# KiCad board mainboard_before_drastic.kicad_pcb
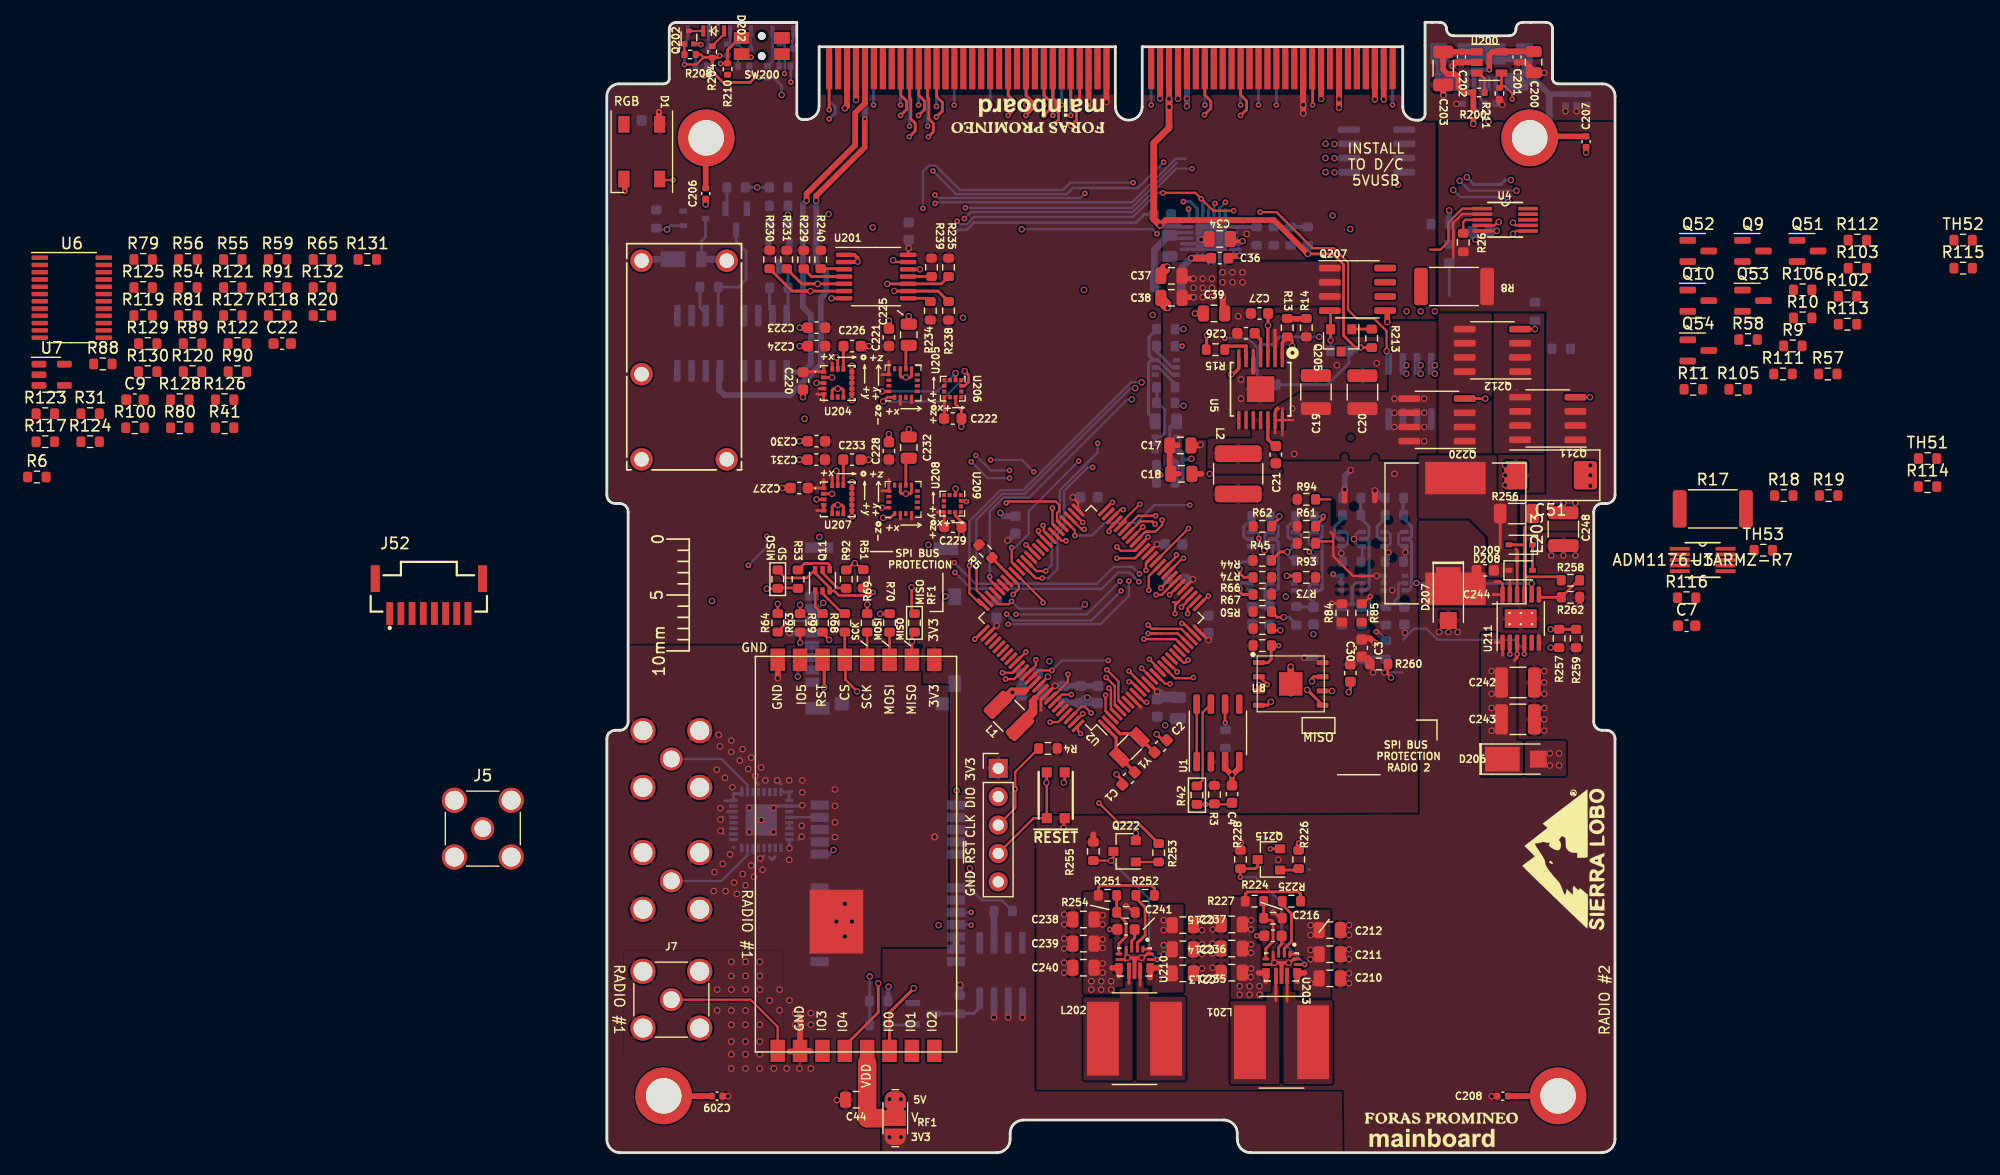
[diagram p0: board, top side]
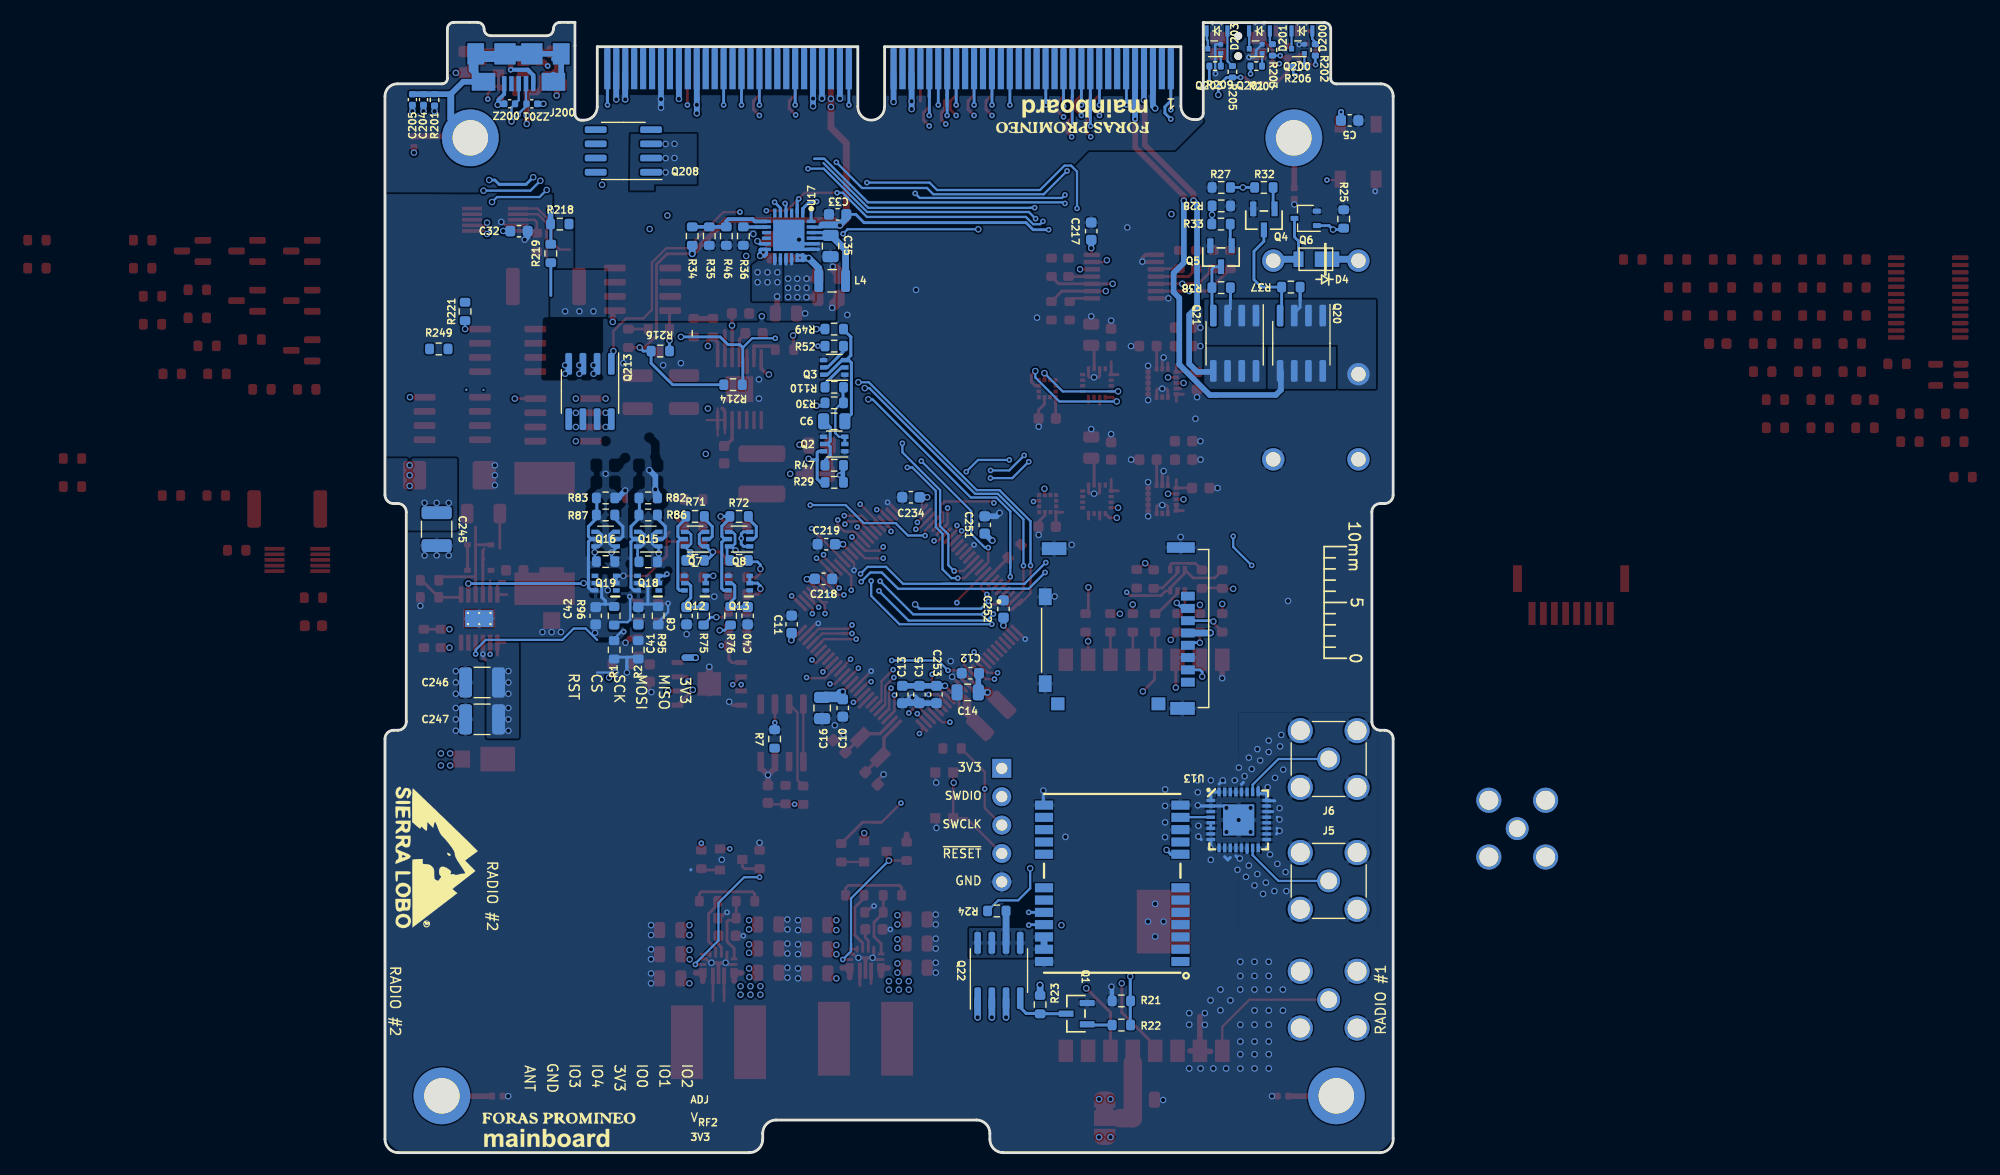
[diagram p1: board, bottom side, seen from below]

Outline 90.17 x 101.14 mm; copper layers: Top, In1.Cu, In2.Cu, In3.Cu, In4.Cu, Bottom. Coordinates in mm from the lower left corner of the outline.
Outline path: 5.58,100.55 5.58,96.13 arc(5.44,95.78) 5.1,95.64 1.1,95.64 arc(0.32,95.32) 0,94.54 0,58.85 arc(0.22,58.31) 0.76,58.09 1.14,58.09 arc(1.68,57.87) 1.91,57.33 1.91,38.56 arc(1.68,38.02) 1.14,37.8 0.76,37.8 arc(0.22,37.57) 0,37.03 0,1.27 arc(0.3,0.4) 1.12,0 34.87,0 arc(35.72,0.35) 36.07,1.19 36.07,1.73 arc(36.42,2.57) 37.26,2.92 55.19,2.92 arc(56.04,2.57) 56.39,1.73 56.39,1.19 arc(56.74,0.35) 57.58,0 88.98,0 arc(89.82,0.35) 90.17,1.19 90.17,37.03 arc(89.95,37.57) 89.41,37.8 89.03,37.8 arc(88.49,38.02) 88.27,38.56 88.27,57.33 arc(88.49,57.87) 89.03,58.09 89.41,58.09 arc(89.95,58.31) 90.17,58.85 90.17,94.54 arc(89.85,95.32) 89.07,95.64 85.07,95.64 arc(84.73,95.78) 84.58,96.13 84.58,100.58 arc(84.42,100.98) 84.02,101.14 81.91,101.14 arc(81.48,100.97) 81.31,100.54 arc(81.13,100.12) 80.71,99.94 75.71,99.94 arc(75.28,100.12) 75.11,100.54 arc(74.93,100.97) 74.51,101.14 73.18,101.14 73.18,99.06 73.18,92.96 arc(73.02,92.56) 72.61,92.39 72.38,92.39 arc(71.54,92.74) 71.18,93.59 71.18,98.96 47.88,98.96 47.88,93.59 arc(46.68,92.39) 45.48,93.59 45.48,98.96 18.98,98.96 18.98,93.64 arc(18.63,92.79) 17.78,92.44 17.56,92.44 arc(17.15,92.61) 16.98,93.01 16.98,99.11 16.98,101.13 16.2,101.13 11.5,101.13 6.16,101.13 arc(5.75,100.96) 5.58,100.55

## Placement (name value [footprint] x y rotation side)
C1  8pF  [C_0603_1608Metric]  46.66 33.49 225 top
C2  8pF  [C_0603_1608Metric]  49.53 36.36 45 top
C3  0.1uF  [C_0603_1608Metric]  67.52 45.16 90 top
C4  1uF  [C_0603_1608Metric]  55.91 32.08 270 top
C5  0.1uF  [C_0603_1608Metric]  3.89 92.37 180 bottom
C6  10uF  [C_0805_2012Metric]  49.99 65.44 0 bottom
C7  3.3nF  [C_0603_1608Metric]  96.57 47.15 0 top
C8  10nF  [C_0603_1608Metric]  63.2 48.04 270 bottom
C9  0.1uF  [C_0603_1608Metric]  -42.21 67.38 0 top
C10  0.1uF  [C_0603_1608Metric]  49.23 39.79 270 bottom
C11  0.1uF  [C_0603_1608Metric]  53.8 47.28 90 bottom
C12  1uF  [C_0603_1608Metric]  37.81 42.9 180 bottom
C13  1uF  [C_0603_1608Metric]  43.89 41 270 bottom
C14  10uF  [C_0805_2012Metric]  38.05 41.19 0 bottom
C15  1uF  [C_0603_1608Metric]  42.37 41 270 bottom
C16  10uF  [C_0805_2012Metric]  51.07 39.79 270 bottom
C17  22uF  [C_0805_2012Metric]  51.29 63.28 0 top
C18  22uF  [C_0805_2012Metric]  51.39 60.74 0 top
C19  100uF  [C_1210_3225Metric]  63.42 68.06 90 top
C20  100uF  [C_1210_3225Metric]  67.58 68.05 90 top
C21  0.1uF  [C_0603_1608Metric]  59.83 62.46 90 top
C22  0.1uF  [C_0603_1608Metric]  -29.04 72.4 0 top
C26  3.3nF  [C_0603_1608Metric]  57.17 73.32 180 top
C27  1uF  [C_0603_1608Metric]  58.37 75.1 180 top
C30  0.1uF  [C_0603_1608Metric]  66.5 42.92 270 top
C32  3.3nF  [C_0603_1608Metric]  78.18 82.46 0 bottom
C33  1uF  [C_0603_1608Metric]  49.69 83.96 180 bottom
C34  4.7uF  [C_0805_2012Metric]  54.82 81.76 180 top
C35  10uF  [C_0805_2012Metric]  50.32 81.13 90 bottom
C36  47nF  [C_0603_1608Metric]  54.82 80.05 0 top
C37  22uF  [C_0805_2012Metric]  50.5 78.46 0 top
C38  22uF  [C_0805_2012Metric]  50.5 76.49 0 top
C39  10uF  [C_0805_2012Metric]  54.31 75.1 0 top
C40  10nF  [C_0603_1608Metric]  57.74 48.04 270 bottom
C41  10nF  [C_0603_1608Metric]  67.52 48.04 270 bottom
C42  10nF  [C_0603_1608Metric]  71.33 48.04 270 bottom
C44  10uF  [C_0805_2012Metric]  22.3 4.74 0 top
C51  100uF  [CP_EIA-7343-43_Kemet-X]  84.41 60.62 180 top
C200  10uF  [C_0805_2012Metric]  82.88 97.58 270 top
C201  0.1uF  [C_0402_1005Metric]  81.41 98.04 270 top
C202  0.1uF  [C_0402_1005Metric]  76.43 98.04 270 top
C203  47uF  [C_1206_3216Metric]  74.8 97.03 270 top
C204  0.1uF  [C_0402_1005Metric]  86.73 94.23 270 bottom
C205  1nF  [C_0402_1005Metric]  87.72 94.23 270 bottom
C206  0.1uF  [C_0402_1005Metric]  8.84 85.83 90 top
C207  0.1uF  [C_0402_1005Metric]  87.58 90.46 90 top
C208  0.1uF  [C_0402_1005Metric]  80.12 5.05 0 top
C209  0.1uF  [C_0402_1005Metric]  9.86 5.05 180 top
C210  10uF  [C_0805_2012Metric]  64.66 15.6 0 top
C211  10uF  [C_0805_2012Metric]  64.66 17.75 0 top
C212  10uF  [C_0805_2012Metric]  64.66 19.91 0 top
C213  22uF  [C_0805_2012Metric]  55.9 16.1 180 top
C214  22uF  [C_0805_2012Metric]  55.9 18.26 180 top
C215  22uF  [C_0805_2012Metric]  55.9 20.42 180 top
C216  0.1uF  [C_0603_1608Metric]  59.58 19.41 0 top
C217  0.1uF  [C_0603_1608Metric]  27 82.46 90 bottom
C218  0.1uF  [C_0603_1608Metric]  50.94 51.35 180 bottom
C219  0.1uF  [C_0603_1608Metric]  50.7 54.44 0 bottom
C220  10nF  [C_0603_1608Metric]  17.54 69.06 270 top
C221  1uF  [C_0603_1608Metric]  25.22 72.95 90 top
C222  1uF  [C_0603_1608Metric]  30.94 65.7 0 top
C223  2.2uF  [C_0603_1608Metric]  18.75 73.83 180 top
C224  0.1uF  [C_0603_1608Metric]  18.75 72.17 180 top
C225  10uF  [C_0805_2012Metric]  27 73.19 90 top
C226  0.47uF  [C_0603_1608Metric]  21.94 72.17 0 top
C227  10nF  [C_0603_1608Metric]  17.21 59.47 180 top
C228  1uF  [C_0603_1608Metric]  25.22 62.79 90 top
C229  1uF  [C_0603_1608Metric]  30.94 56.02 0 top
C230  2.2uF  [C_0603_1608Metric]  18.75 63.67 180 top
C231  0.1uF  [C_0603_1608Metric]  18.73 62.01 180 top
C232  10uF  [C_0805_2012Metric]  27 63.09 90 top
C233  0.47uF  [C_0603_1608Metric]  21.92 62.01 0 top
C234  0.1uF  [C_0603_1608Metric]  43.13 58.65 0 bottom
C235  10uF  [C_0805_2012Metric]  51.51 16.04 0 top
C236  10uF  [C_0805_2012Metric]  51.51 18.2 0 top
C237  10uF  [C_0805_2012Metric]  51.51 20.36 0 top
C238  22uF  [C_0805_2012Metric]  42.62 20.87 180 top
C239  22uF  [C_0805_2012Metric]  42.62 18.71 180 top
C240  22uF  [C_0805_2012Metric]  42.62 16.55 180 top
C241  0.1uF  [C_0603_1608Metric]  46.43 19.98 0 top
C242  10uF  [C_1210_3225Metric]  81.49 42.08 0 top
C243  10uF  [C_1210_3225Metric]  81.49 38.77 0 top
C244  1uF  [C_0603_1608Metric]  78.56 52.11 0 top
C245  10uF  [C_1210_3225Metric]  85.55 55.79 270 bottom
C246  10uF  [C_1210_3225Metric]  81.49 42.08 0 bottom
C247  10uF  [C_1210_3225Metric]  81.49 38.77 0 bottom
C248  10uF  [C_1210_3225Metric]  85.55 55.79 270 top
C251  0.1uF  [C_0603_1608Metric]  36.53 56.17 90 bottom
C252  0.1uF  [C_0603_1608Metric]  34.85 48.65 90 bottom
C253  0.1uF  [C_0603_1608Metric]  40.85 41 270 bottom
D1  WS2812B  [LED_WS2812B_PLCC4_5.0x5.0mm_P3.2mm]  3.13 89.57 270 top
D4  DFLS130L  [PWRDI-123]  7.01 79.95 0 bottom
D200  RED  [APA2107x]  8.15 100.38 270 bottom
D201  YELLOW  [APA2107x]  11.95 100.38 270 bottom
D202  GREEN  [APA2107x]  9.55 100.38 270 top
D203  ORANGE  [APA2107x]  15.75 100.38 270 bottom
D206  V4PAL45HM3_A/I  [SMPA]  81.3 35.22 0 top
D207  V4PAL45HM3_A/I  [SMPA]  75.26 49.63 270 top
D208  1N4148WSTR  [D_SOD-323]  81.74 52.11 0 top
D209  1N4148WSTR  [D_SOD-323]  81.74 54.39 180 top
G***  LOGO  [foraspromineo]  74.63 3.09 0 top
G***#2  LOGO  [foraspromineo]  37.67 91.73 180 top
G***#3  LOGO  [sierra_logo]  85.55 26.2 90 top
G***#4  LOGO  [foraspromineo]  74.63 3.09 180 bottom
G***#5  LOGO  [sierra_logo]  85.55 26.45 270 bottom
G***#6  LOGO  [foraspromineo]  28.65 91.73 0 bottom
H200  MountingHole_Pad  [125mil_hole]  8.88 90.81 90 top
H201  SLI-Backplane-Blank-Card-KiCad:125mil_hole  [125mil_hole]  82.54 90.81 0 top
H202  SLI-Backplane-Blank-Card-KiCad:125mil_hole  [125mil_hole]  85.08 5.08 0 top
H203  SLI-Backplane-Blank-Card-KiCad:125mil_hole  [125mil_hole]  5.08 5.08 0 top
J1  503182-1852  [MOLEX_503182-1852]  24.72 46.9 270 bottom
J2  Conn_01x05  [PinHeader_1x05_P2.54mm_Vertical]  35 34.39 0 top
J5  Amphenol_901-144  [SMA_Amphenol_901-144_Vertical]  -11.1 28.99 0 top
J5#2  Amphenol_901-144  [SMA_Amphenol_901-144_Vertical]  5.77 24.32 0 bottom
J6  Amphenol_901-144  [SMA_Amphenol_901-144_Vertical]  5.77 35.23 0 bottom
J7  Amphenol_901-144  [SMA_Amphenol_901-144_Vertical]  5.77 13.69 0 top
J52  T1M-08-F-SV-L  [SAMTEC_T1M-08-F-SV-L]  -15.92 50.64 0 top
J200  -  [ZX62-AB-5PA(31)]  78.23 101.13 0 bottom
JP6  Jumper_3_Bridged12  [SolderJumper-3_P1.3mm_Bridged12_RoundedPad1.0x1.5mm]  25.8 3.09 270 top
L1  10uH  [L_1210_3225Metric]  35.96 39.09 315 top
L2  3.3uH  [L_2141]  56.47 60.74 270 top
L4  1uH  [L_2510]  50.17 78.02 0 bottom
L201  1.5uH  [L_Bourns_SRN8040TA]  60.34 9.88 180 top
L202  1.5uH  [L_Bourns_SRN8040TA]  47.2 10.2 180 top
L203  22uH  [L_Wuerth_WE-PD-Typ-LS]  75.9 55.41 270 top
P1  Card Edge for HSEC8-160-01-S-DV-A-K-TR  [HSEC8-160-CARD-EDGE]  45.48 98.96 0 top
Q1  DMN100-7-F  [SOT-23#3]  28.37 12.44 90 bottom
Q2  MMDT5551-7-F  [SOT-363_SC-70-6]  49.99 63.41 0 bottom
Q3  MMDT5551-7-F  [SOT-363_SC-70-6]  49.99 70.27 0 bottom
Q4  DMN100-7-F  [SOT-23#3]  11.56 83.45 0 bottom
Q5  DMN100-7-F  [SOT-23#3]  15.4 80.15 0 bottom
Q6  SMMBT2222AWT1G  [SOT-323_SC-70]  7.83 83.6 0 bottom
Q7  MMDT5551-7-F  [SOT-363_SC-70-6]  62.44 54.9 0 bottom
Q8  MMDT5551-7-F  [SOT-363_SC-70-6]  58.5 54.9 0 bottom
Q9  MMBT3906-7-F  [SOT-23#2]  102.5 80.69 0 top
Q10  MMBT3906-7-F  [SOT-23#2]  97.61 76.24 0 top
Q11  MMDT2907AQ-7-F  [SOT-363_SC-70-6]  19.28 51.22 90 top
Q12  -  [BSS138DWQ-7]  62.44 50.97 0 bottom
Q13  -  [BSS138DWQ-7]  58.5 50.97 0 bottom
Q15  MMDT5551-7-F  [SOT-363_SC-70-6]  66.63 54.9 0 bottom
Q16  MMDT5551-7-F  [SOT-363_SC-70-6]  70.44 54.9 0 bottom
Q18  -  [BSS138DWQ-7]  66.63 50.97 0 bottom
Q19  -  [BSS138DWQ-7]  70.44 50.97 0 bottom
Q20  IRF7404TRPBF  [SOIC-8_3.9x4.9mm_P1.27mm]  8.21 72.43 270 bottom
Q21  IRF7404TRPBF  [SOIC-8_3.9x4.9mm_P1.27mm]  14.18 72.43 270 bottom
Q22  IRF7404TRPBF  [SOIC-8_3.9x4.9mm_P1.27mm]  35.26 16.29 90 bottom
Q51  MMBT4401-7-F  [SOT-23#2]  107.39 80.69 0 top
Q52  MMBT3906-7-F  [SOT-23#2]  97.61 80.69 0 top
Q53  MMBT3906-7-F  [SOT-23#2]  102.5 76.24 0 top
Q54  MMBT3906-7-F  [SOT-23#2]  97.61 71.79 0 top
Q200  BC847BM3T5G  [SOT-723]  8.51 98.78 0 bottom
Q201  BC847BM3T5G  [SOT-723]  12.29 98.78 0 bottom
Q202  BC847BM3T5G  [SOT-723]  7.34 99.8 90 top
Q203  BC847BM3T5G  [SOT-723]  16 98.78 0 bottom
Q205  MMBT4401-7-F  [SOT-23]  65.67 72.68 270 top
Q207  IRF7404  [SOIC-8_3.9x4.9mm_P1.27mm]  67.13 77.25 0 top
Q208  IRF7458  [SOIC-8_3.9x4.9mm_P1.27mm]  68.85 89.64 0 bottom
Q211  IRF7404  [SOIC-8_3.9x4.9mm_P1.27mm]  84.15 65.7 180 top
Q212  IRF7404  [SOIC-8_3.9x4.9mm_P1.27mm]  79.2 71.79 180 top
Q213  IRF7404  [SOIC-8_3.9x4.9mm_P1.27mm]  71.83 68.11 270 bottom
Q215  MMBT3906-7-F  [SOT-23]  59.21 26.24 180 top
Q220  IRF7404  [SOIC-8_3.9x4.9mm_P1.27mm]  74.25 65.57 180 top
Q222  MMBT3906-7-F  [SOT-23]  46.31 26.96 180 top
R1  316k  [R_0603_1608Metric]  69.67 45 270 bottom
R2  110k  [R_0603_1608Metric]  67.52 45 270 bottom
R3  10k  [R_0603_1608Metric]  54.34 32.04 270 top
R4  10k  [R_0603_1608Metric]  39.45 36.17 180 top
R5  10k  [R_0603_1608Metric]  33.86 53.82 315 top
R6  100k  [R_0603_1608Metric]  -50.98 60.46 0 top
R7  10k  [R_0603_1608Metric]  55.32 37.02 90 bottom
R8  0.1  [R_2512_6332Metric]  75.77 77.51 180 top
R9  100  [R_0603_1608Metric]  106.07 72.19 0 top
R10  100k  [R_0603_1608Metric]  106.95 74.7 0 top
R11  1Meg  [R_0603_1608Metric]  97.17 68.31 0 top
R13  73.2k  [R_0603_1608Metric]  60.85 73.83 270 top
R14  22.1k  [R_0603_1608Metric]  62.56 73.83 90 top
R15  100k  [R_0603_1608Metric]  54.43 71.86 180 top
R17  0.1  [R_2512_6332Metric]  98.91 57.61 0 top
R18  1k  [R_0603_1608Metric]  105.26 58.8 0 top
R19  100k  [R_0603_1608Metric]  109.27 58.8 0 top
R20  100k  [R_0603_1608Metric]  -25.44 74.91 0 top
R21  10k  [R_0603_1608Metric]  24.31 13.58 0 bottom
R22  4.7k  [R_0603_1608Metric]  24.31 11.42 0 bottom
R23  3.3k  [R_0603_1608Metric]  31.57 13.25 270 bottom
R24  10k  [R_0603_1608Metric]  35.45 21.63 180 bottom
R25  10k  [R_0603_1608Metric]  4.42 83.55 90 bottom
R26  1k  [R_0603_1608Metric]  76.6 81.45 90 top
R27  10k  [R_0603_1608Metric]  15.37 86.37 0 bottom
R28  10k  [R_0603_1608Metric]  15.37 84.72 180 bottom
R29  73.2k  [R_0603_1608Metric]  49.99 59.98 0 bottom
R30  100k  [R_0603_1608Metric]  49.99 67.09 180 bottom
R31  100k  [R_0603_1608Metric]  -46.22 66.13 0 top
R32  4.7k  [R_0603_1608Metric]  11.56 86.37 0 bottom
R33  4.7k  [R_0603_1608Metric]  15.4 83.1 0 bottom
R34  5.23k  [R_0603_1608Metric]  62.69 82.02 90 bottom
R35  30.1k  [R_0603_1608Metric]  61.17 82.02 90 bottom
R36  3.16k  [R_0603_1608Metric]  58.12 82.02 90 bottom
R37  100k  [R_0603_1608Metric]  9.15 77.46 180 bottom
R38  100k  [R_0603_1608Metric]  15.38 77.41 180 bottom
R41  100k  [R_0603_1608Metric]  -34.19 64.87 0 top
R42  10k  [R_0603_1608Metric]  52.77 31.99 90 top
R44  10k  [R_0603_1608Metric]  58.63 51.47 180 top
R45  10k  [R_0603_1608Metric]  58.63 53 0 top
R46  10k  [R_0603_1608Metric]  59.64 82.02 90 bottom
R47  200k  [R_0603_1608Metric]  49.99 61.51 0 bottom
R49  100k  [R_0603_1608Metric]  49.99 73.7 180 bottom
R50  10k  [R_0603_1608Metric]  58.63 45.38 180 top
R51  10k  [R_0603_1608Metric]  22.94 51.35 270 top
R52  10k  [R_0603_1608Metric]  49.99 72.17 0 bottom
R53  0  [R_0603_1608Metric]  17.1 51.32 270 top
R54  100k  [R_0603_1608Metric]  -37.47 77.42 0 top
R55  100k  [R_0603_1608Metric]  -33.46 79.93 0 top
R56  100k  [R_0603_1608Metric]  -37.47 79.93 0 top
R57  10k  [R_0603_1608Metric]  109.2 69.68 0 top
R58  100  [R_0603_1608Metric]  102.06 72.76 0 top
R59  100k  [R_0603_1608Metric]  -29.45 79.93 0 top
R61  10k  [R_0603_1608Metric]  62.56 56.05 0 top
R62  10k  [R_0603_1608Metric]  58.63 56.05 0 top
R63  1k  [R_0603_1608Metric]  17.28 47.41 90 top
R64  1k  [R_0603_1608Metric]  15.28 47.41 90 top
R65  10k  [R_0603_1608Metric]  -25.44 79.93 0 top
R66  10k  [R_0603_1608Metric]  58.63 48.43 0 top
R67  10k  [R_0603_1608Metric]  58.63 46.9 0 top
R68  4.7k  [R_0603_1608Metric]  21.28 47.41 270 top
R69  1k  [R_0603_1608Metric]  23.28 47.41 90 top
R70  1k  [R_0603_1608Metric]  25.28 47.41 270 top
R71  680  [R_0603_1608Metric]  62.44 56.93 0 bottom
R72  680  [R_0603_1608Metric]  58.5 56.93 0 bottom
R73  100k  [R_0603_1608Metric]  62.56 51.47 180 top
R74  100k  [R_0603_1608Metric]  58.63 49.95 180 top
R75  200k  [R_0603_1608Metric]  61.67 48.04 90 bottom
R76  200k  [R_0603_1608Metric]  59.26 48.04 90 bottom
R79  100  [R_0603_1608Metric]  -41.48 79.93 0 top
R80  100  [R_0603_1608Metric]  -38.2 64.87 0 top
R81  100  [R_0603_1608Metric]  -37.47 74.91 0 top
R82  10k  [R_0603_1608Metric]  66.63 58.59 0 bottom
R83  10k  [R_0603_1608Metric]  70.44 58.59 0 bottom
R84  10k  [R_0603_1608Metric]  65.74 48.3 90 top
R85  10k  [R_0603_1608Metric]  67.52 48.3 90 top
R86  680  [R_0603_1608Metric]  66.63 57.06 0 bottom
R87  680  [R_0603_1608Metric]  70.44 57.06 0 bottom
R88  100  [R_0603_1608Metric]  -45.08 70.58 0 top
R89  100  [R_0603_1608Metric]  -37.06 72.4 0 top
R90  100k  [R_0603_1608Metric]  -33.05 69.89 0 top
R91  100k  [R_0603_1608Metric]  -29.45 77.42 0 top
R92  4.7k  [R_0603_1608Metric]  21.41 51.32 90 top
R93  100k  [R_0603_1608Metric]  62.56 54.52 0 top
R94  100k  [R_0603_1608Metric]  62.56 58.46 0 top
R95  200k  [R_0603_1608Metric]  65.74 48.04 90 bottom
R96  200k  [R_0603_1608Metric]  69.67 48.04 90 bottom
R97  0  [R_0603_1608Metric]  62.44 53 180 bottom
R98  0  [R_0603_1608Metric]  58.5 53 180 bottom
R99  0  [R_0603_1608Metric]  19.28 47.41 270 top
R100  100  [R_0603_1608Metric]  -42.21 64.87 0 top
R101  0  [R_0603_1608Metric]  27.51 47.41 90 top
R102  100k  [R_0603_1608Metric]  110.96 76.64 0 top
R103  1Meg  [R_0603_1608Metric]  111.84 79.15 0 top
R104  0  [R_0603_1608Metric]  15.28 51.32 90 top
R105  10k  [R_0603_1608Metric]  101.18 68.31 0 top
R106  100k  [R_0603_1608Metric]  106.95 77.21 0 top
R108  0  [R_0603_1608Metric]  66.63 52.87 180 bottom
R109  0  [R_0603_1608Metric]  70.44 52.9 180 bottom
R110  20k  [R_0603_1608Metric]  49.99 68.49 180 bottom
R111  100  [R_0603_1608Metric]  105.19 69.68 0 top
R112  100  [R_0603_1608Metric]  111.84 81.66 0 top
R113  100  [R_0603_1608Metric]  110.96 74.13 0 top
R114  10k  [R_0603_1608Metric]  118.12 59.6 0 top
R115  10k  [R_0603_1608Metric]  121.3 79.15 0 top
R116  10k  [R_0603_1608Metric]  96.57 49.66 0 top
R117  100k  [R_0603_1608Metric]  -50.23 63.62 0 top
R118  100k  [R_0603_1608Metric]  -29.45 74.91 0 top
R119  10k  [R_0603_1608Metric]  -41.48 74.91 0 top
R120  1k  [R_0603_1608Metric]  -37.06 69.89 0 top
R121  10k  [R_0603_1608Metric]  -33.46 77.42 0 top
R122  1k  [R_0603_1608Metric]  -33.05 72.4 0 top
R123  100k  [R_0603_1608Metric]  -50.23 66.13 0 top
R124  100k  [R_0603_1608Metric]  -46.22 63.62 0 top
R125  10k  [R_0603_1608Metric]  -41.48 77.42 0 top
R126  1k  [R_0603_1608Metric]  -34.19 67.38 0 top
R127  10k  [R_0603_1608Metric]  -33.46 74.91 0 top
R128  1k  [R_0603_1608Metric]  -38.2 67.38 0 top
R129  100k  [R_0603_1608Metric]  -41.07 72.4 0 top
R130  100k  [R_0603_1608Metric]  -41.07 69.89 0 top
R131  100k  [R_0603_1608Metric]  -21.43 79.93 0 top
R132  100k  [R_0603_1608Metric]  -25.44 77.42 0 top
R200  10k  [R_0402_1005Metric]  78 94.87 0 top
R201  1Meg  [R_0402_1005Metric]  85.74 94.21 270 bottom
R202  1.5k  [R_0402_1005Metric]  6.96 98.68 90 bottom
R203  1.5k  [R_0402_1005Metric]  10.8 98.68 90 bottom
R204  1.5k  [R_0402_1005Metric]  9.42 98.5 90 top
R205  1.5k  [R_0402_1005Metric]  14.38 96.72 90 bottom
R206  1.5k  [R_0402_1005Metric]  8.43 97.23 0 bottom
R207  1.5k  [R_0402_1005Metric]  12.24 97.23 0 bottom
R208  1.5k  [R_0402_1005Metric]  7.44 98.27 0 top
R209  1.5k  [R_0402_1005Metric]  15.93 97.23 0 bottom
R210  DNP  [R_0402_1005Metric]  10.8 96.96 90 top
R211  10k  [R_0402_1005Metric]  79.83 94.78 270 top
R213  100k  [R_0603_1608Metric]  68.4 72.87 270 top
R214  2.2Meg  [R_0603_1608Metric]  59.04 68.72 180 bottom
R216  1Meg  [R_0603_1608Metric]  65.55 71.73 180 bottom
R218  10k  [R_0603_1608Metric]  74.54 83.1 0 bottom
R219  1Meg  [R_0603_1608Metric]  75.34 80.47 270 bottom
R221  1Meg  [R_0603_1608Metric]  83.01 75.27 270 bottom
R224  523k  [R_0603_1608Metric]  57.93 22.5 0 top
R225  100k  [R_0603_1608Metric]  61.23 22.5 180 top
R226  3.3k  [R_0603_1608Metric]  61.88 26.24 90 top
R227  100k  [R_0603_1608Metric]  59.58 20.98 0 top
R228  330k  [R_0603_1608Metric]  56.67 26.24 90 top
R229  100k  [R_0603_1608Metric]  17.6 79.92 270 top
R230  10k  [R_0603_1608Metric]  14.56 79.92 270 top
R231  10k  [R_0603_1608Metric]  16.08 79.92 270 top
R234  100k  [R_0603_1608Metric]  28.93 75.34 90 top
R235  10k  [R_0603_1608Metric]  30.56 79.22 270 top
R238  10k  [R_0603_1608Metric]  30.56 75.34 90 top
R239  100k  [R_0603_1608Metric]  29.03 79.22 270 top
R240  100k  [R_0603_1608Metric]  19.13 79.92 270 top
R249  10k  [R_0603_1608Metric]  85.36 71.92 180 bottom
R251  523k  [R_0603_1608Metric]  44.78 23.03 0 top
R252  100k  [R_0603_1608Metric]  48.15 23.03 180 top
R253  3.3k  [R_0603_1608Metric]  49.35 26.84 90 top
R254  100k  [R_0603_1608Metric]  46.43 21.5 0 top
R255  330k  [R_0603_1608Metric]  43.51 26.96 90 top
R256  0.05  [R_1206_3216Metric]  81.36 57.19 180 top
R257  121k  [R_0603_1608Metric]  85.17 46.01 90 top
R258  634k  [R_0603_1608Metric]  86.18 51.22 0 top
R259  100k  [R_0603_1608Metric]  86.69 46.01 270 top
R260  100k  [R_0603_1608Metric]  69.04 43.73 0 top
R262  412k  [R_0603_1608Metric]  86.18 49.7 0 top
REF**  Val**  [mainboard_version]  75.39 1.31 0 top
REF**#2  Val**  [mainboard_version]  37.29 93.51 180 top
REF**#3  -  [Gauge_10mm_Type1_SilkScreenTop]  7.37 54.9 270 top
REF**#4  -  [Gauge_10mm_Type1_SilkScreenTop]  6.17 44.23 90 bottom
REF**#5  Val**  [mainboard_version]  74.12 1.31 180 bottom
REF**#6  Val**  [mainboard_version]  29.16 93.45 0 bottom
REF**#7  Val**  []  5.79 78.14 180 bottom
SW1  KMR231NG LFS  [BTN_KMR2_4.6X2.8]  40.15 31.98 90 top
SW200  SW_Push_SPST  [EVQP7C01P]  13.85 101.13 0 top
TH51  10k  [R_0603_1608Metric]  118.12 62.11 0 top
TH52  10k  [R_0603_1608Metric]  121.3 81.66 0 top
TH53  10k  [R_0603_1608Metric]  103.43 53.91 0 top
U1  MAX706RESA  [SO-8_3.9x4.9mm_P1.27mm]  54.66 37.56 90 top
U2  ATSAMD51N20A-AUT  [TQFP-100_14x14mm_P0.5mm]  43.32 47.85 135 top
U3  -  [ADM1176-1ARMZ-R7]  98 53.04 0 top
U4  -  [ADM1176-1ARMZ-R7]  80.34 83.48 0 top
U5  TPS54226PWPRPWP14_2P31X2P46-L  [PWP14_2P31X2P46-L]  58.47 68.32 270 top
U6  74HC4067PW,118  [TSSOP-24_4.4x7.8mm_P0.65mm]  -47.86 76.51 0 top
U7  OPA340MDBVTEP  [SOT-23-5#2]  -49.66 69.61 0 top
U8  MR25H40MDF  [SON127P600X500X90-9N]  61.17 41.95 0 top
U13  EP2W+  [QFN32-5X5MM]  13.82 29.77 180 bottom
U14  S1216V8  [S1216_24PIN_PACKAGE]  24.87 24.72 180 bottom
U16  PE014006  [RELAY_PE014006]  10.72 62.62 0 top
U17  BQ25883RGER  [QFN50P400X400X100-25N-D]  54.05 82.08 270 bottom
U23  RFM98PW  [RFM95PW]  22.78 26.71 270 top
U200  AP2161W  [SOT-23-5]  78.92 97.56 0 top
U201  PCA9543APW,118  [TSSOP-14_4.4x5mm_P0.65mm]  24.08 78.4 0 top
U203  TPS63070  [TPS63070RNMR]  60.34 16.61 270 top
U204  -  [IAM-20380]  20.65 68.87 0 top
U205  -  [MMC5983MA]  26.49 68.87 90 top
U206  -  [MXC6655XA]  30.94 68.36 270 top
U207  -  [IAM-20380]  20.65 58.46 0 top
U208  -  [MMC5983MA]  26.49 58.46 90 top
U209  -  [MXC6655XA]  30.9 58.08 270 top
U210  TPS63070  [TPS63070RNMR]  47.2 17.06 270 top
U211  ‎LT3652HVEMSE#TRPBF‎  [MSOP-12-1EP_3x4mm_P0.65mm_EP1.65x2.85mm_ThermalVias]  81.74 47.79 90 top
Y1  32.768kHz  [Crystal_SMD_3215-2Pin_3.2x1.5mm]  46.75 36.27 225 top
Z200  CG0402MLU-05G  [C_0402_1005Metric]  79.02 93.85 0 bottom
Z201  CG0402MLU-05G  [C_0402_1005Metric]  77.04 93.85 180 bottom
